# Altium PCB UmTRXv2.PcbDoc (part 21 of 25) (continued)
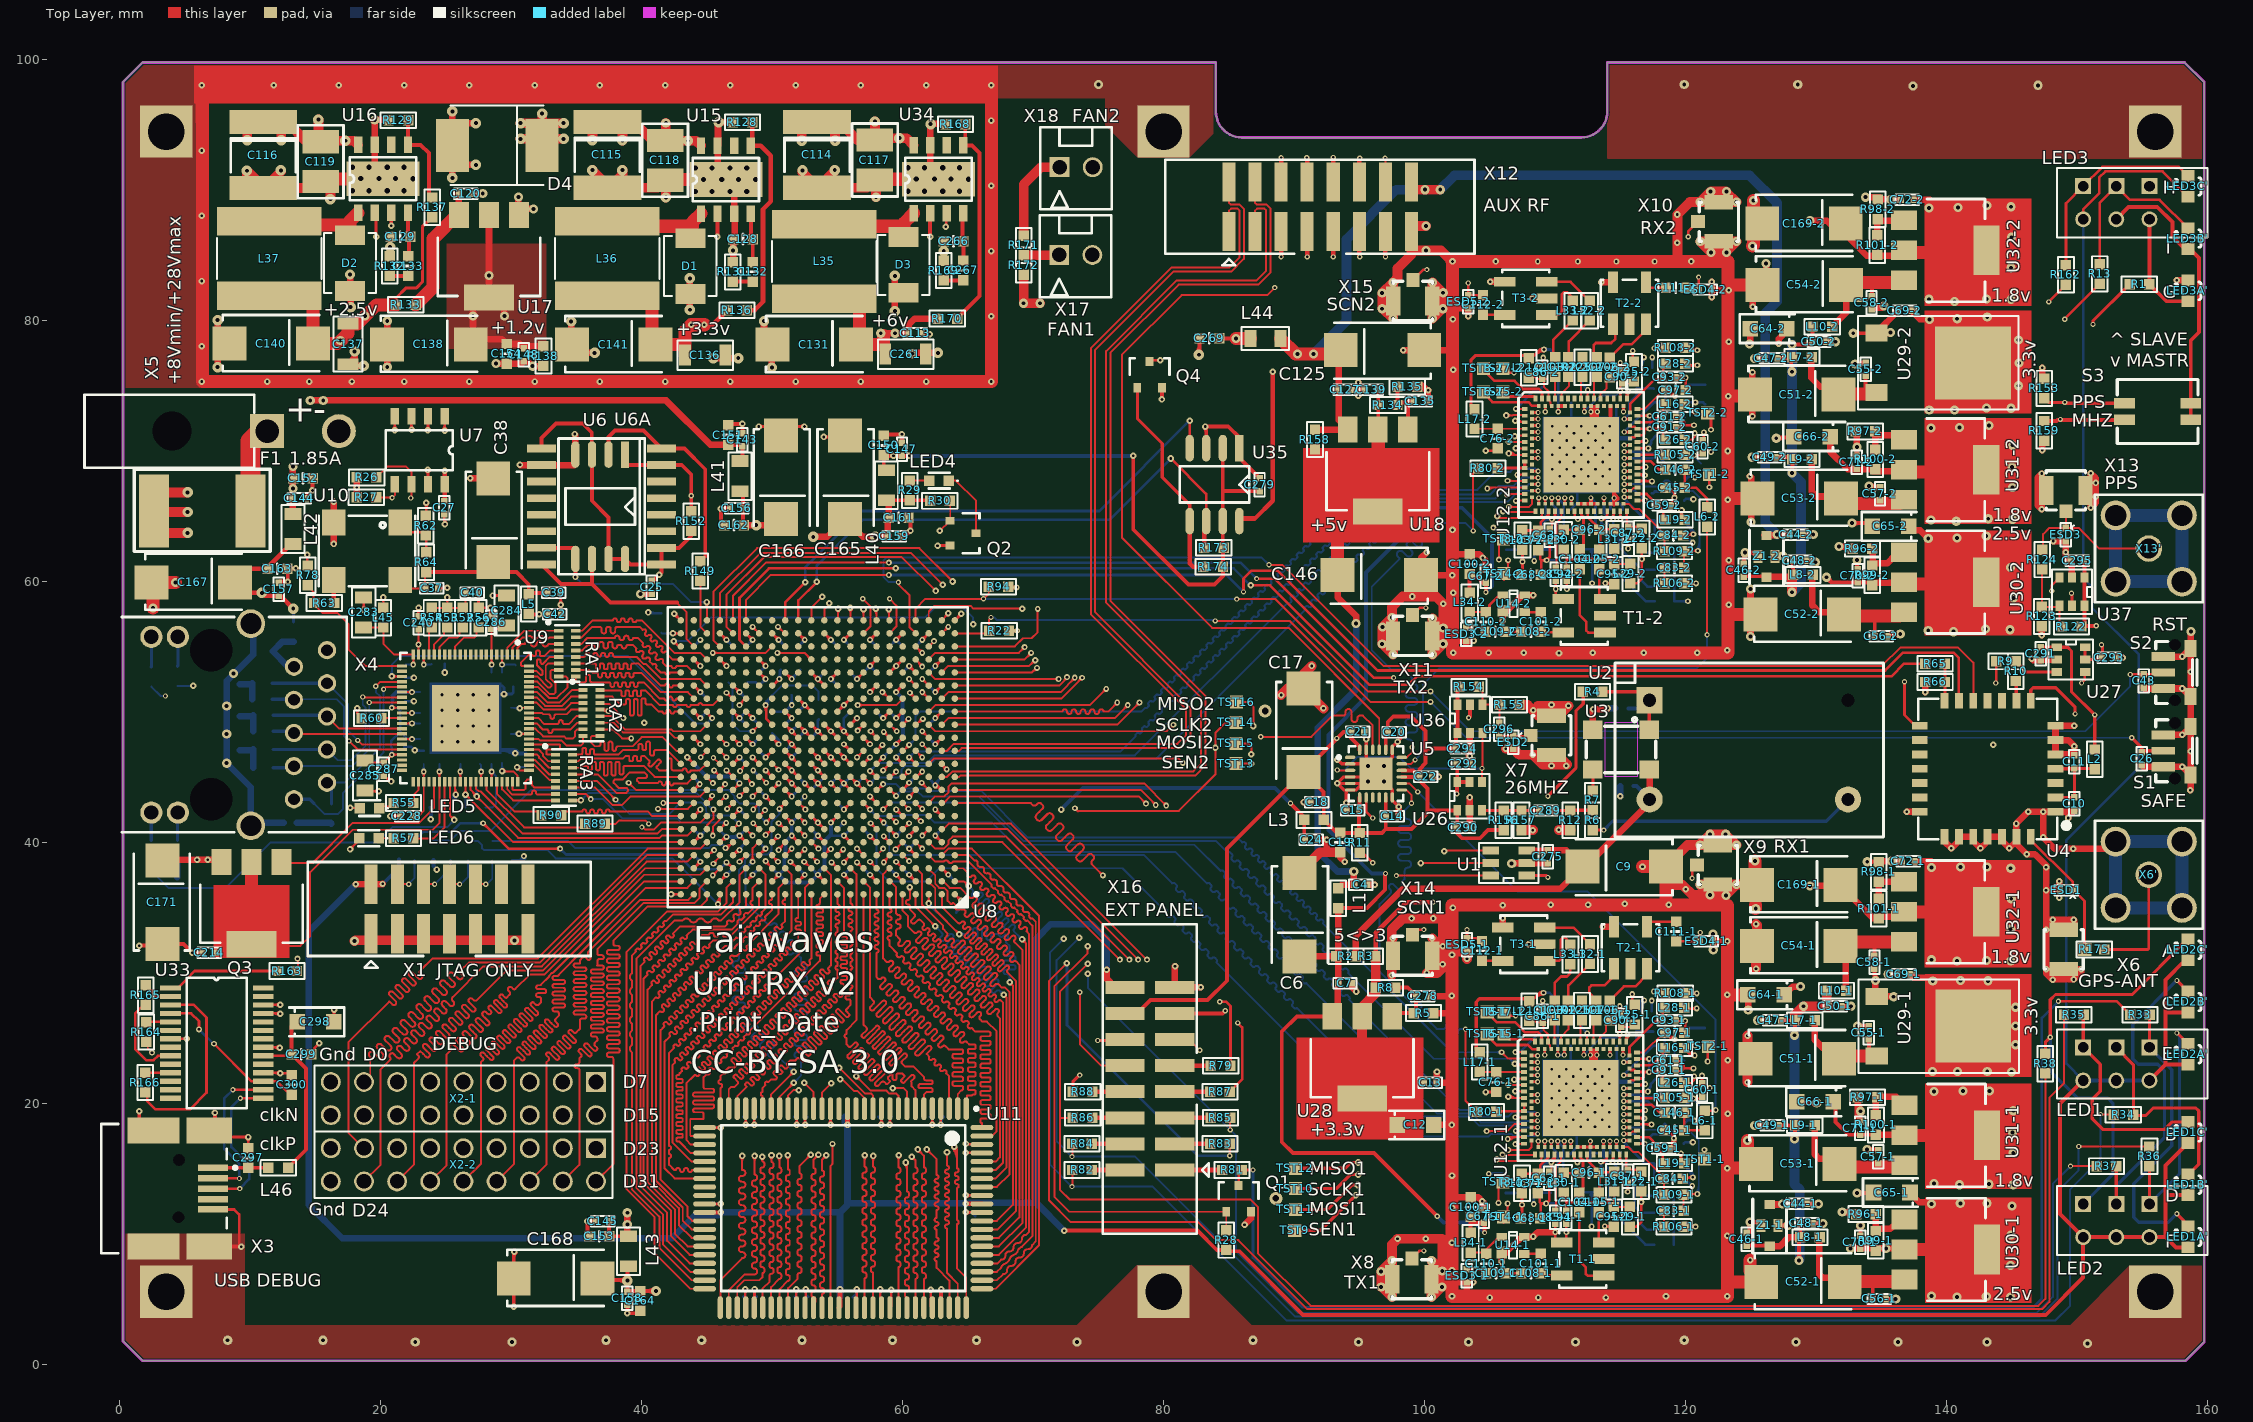
[diagram p0: Top Layer view]
## Nets (pads, with @x,y where several pads share a name; then routed paths per layer and width w, separated by ;. In a path a pad name is that pad's centre, name@x,y a point inside that pad or via, vN(x,y) a via of type N, cw(c..) or ccw(c..) an arc to the next point about the centre after c; other vN are vias at no path point) (continued)
  MidLayer1 w0.15: v2(69.85,54.5) 70.35,54.5 70.8,54.95 70.8,56.05 71.295,56.545 ccw(c71.281,56.559) 71.295,56.573 cw(c71.422,56.701) 71.295,56.828 71.359,56.891 cw(c71.486,56.764) 71.613,56.891 71.627,56.877 71.641,56.863 ccw(c71.769,56.99) 71.896,56.863 71.96,56.927 ccw(c71.832,57.054) 71.96,57.181 71.945,57.195 71.931,57.21 cw(c72.059,57.337) 71.931,57.464 71.995,57.528 cw(c72.122,57.401) 72.25,57.528 72.264,57.514 72.278,57.5 ccw(c72.405,57.627) 72.532,57.5 72.596,57.563 ccw(c72.469,57.69) 72.596,57.818 72.582,57.832 72.568,57.846 cw(c72.695,57.973) 72.568,58.101 72.631,58.164 cw(c72.759,58.037) 72.886,58.164 72.9,58.15 72.914,58.136 ccw(c73.042,58.263) 73.169,58.136 73.232,58.2 ccw(c73.105,58.327) 73.232,58.454 73.218,58.468 73.204,58.482 cw(c73.331,58.61) 73.204,58.737 73.268,58.801 cw(c73.395,58.673) 73.522,58.801 73.536,58.786 73.551,58.772 ccw(c73.678,58.9) 73.805,58.772 73.869,58.836 ccw(c73.742,58.963) 73.869,59.091 73.855,59.105 73.841,59.119 cw(c73.968,59.246) 73.841,59.373 73.904,59.437 cw(c74.031,59.31) 74.159,59.437 74.173,59.423 74.187,59.409 ccw(c74.314,59.536) 74.442,59.409 74.505,59.472 ccw(c74.378,59.6) 74.505,59.727 74.491,59.741 74.477,59.755 cw(c74.604,59.882) 74.477,60.01 74.541,60.073 cw(c74.668,59.946) 74.795,60.073 74.809,60.059 74.823,60.045 ccw(c74.951,60.172) 75.078,60.045 75.142,60.109 ccw(c75.014,60.236) 75.142,60.363 75.127,60.377 75.113,60.392 cw(c75.241,60.519) 75.113,60.646 75.177,60.71 cw(c75.304,60.583) 75.432,60.71 75.446,60.696 75.46,60.682 ccw(c75.587,60.809) 75.714,60.682 75.778,60.745 ccw(c75.651,60.872) 75.778,61 75.764,61.014 75.75,61.028 cw(c75.877,61.155) 75.75,61.283 75.813,61.346 cw(c75.941,61.219) 76.068,61.346 76.082,61.332 76.096,61.318 ccw(c76.223,61.445) 76.351,61.318 76.414,61.382 ccw(c76.287,61.509) 76.414,61.636 76.4,61.65 76.386,61.664 cw(c76.513,61.792) 76.386,61.919 76.45,61.983 cw(c76.577,61.855) 76.704,61.983 76.718,61.968 76.733,61.954 ccw(c76.86,62.082) 76.987,61.954 77.051,62.018 ccw(c76.924,62.145) 77.051,62.273 77.037,62.287 77.023,62.301 cw(c77.15,62.428) 77.023,62.555 77.086,62.619 cw(c77.213,62.492) 77.341,62.619 77.355,62.605 77.369,62.591 ccw(c77.496,62.718) 77.624,62.591 77.687,62.654 ccw(c77.56,62.782) 77.687,62.909 77.673,62.923 77.659,62.937 cw(c77.786,63.064) 77.659,63.192 ; 77.659,63.192 77.723,63.255 cw(c77.85,63.128) 77.977,63.255 77.991,63.241 78.005,63.227 ccw(c78.133,63.354) 78.26,63.227 78.324,63.291 ccw(c78.196,63.418) 78.324,63.545 78.309,63.559 78.295,63.574 cw(c78.423,63.701) 78.295,63.828 78.359,63.892 cw(c78.486,63.765) 78.613,63.892 78.628,63.878 78.642,63.863 ccw(c78.769,63.991) 78.896,63.863 78.96,63.927 ccw(c78.833,64.054) 78.96,64.182 78.946,64.196 78.932,64.21 cw(c79.059,64.337) 78.932,64.465 78.995,64.528 cw(c79.123,64.401) 79.25,64.528 79.264,64.514 79.278,64.5 ccw(c79.405,64.627) 79.533,64.5 79.596,64.564 ccw(c79.469,64.691) 79.596,64.818 79.582,64.832 79.568,64.846 cw(c79.695,64.974) 79.568,65.101 79.632,65.165 cw(c79.759,65.037) 79.886,65.165 79.9,65.15 79.915,65.136 ccw(c80.042,65.264) 80.169,65.136 80.233,65.2 ccw(c80.105,65.327) 80.233,65.454 80.204,65.483 cw(c80.332,65.61) 80.204,65.737 80.268,65.801 cw(c80.395,65.674) 80.523,65.801 80.537,65.787 80.551,65.773 ccw(c80.678,65.9) 80.806,65.773 80.869,65.836 ccw(c80.742,65.964) 80.869,66.091 80.855,66.105 80.841,66.119 cw(c80.968,66.246) 80.841,66.374 80.905,66.437 cw(c81.032,66.31) 81.159,66.437 81.173,66.423 81.187,66.409 ccw(c81.315,66.536) 81.442,66.409 81.506,66.473 ccw(c81.378,66.6) 81.506,66.727 81.491,66.741 81.477,66.756 cw(c81.605,66.883) 81.477,67.01 81.541,67.074 cw(c81.668,66.946) 81.795,67.074 81.81,67.06 81.824,67.045 ccw(c81.951,67.173) 82.078,67.045 82.142,67.109 ccw(c82.015,67.236) 82.142,67.364 82.128,67.378 82.114,67.392 cw(c82.241,67.519) 82.114,67.647 82.177,67.71 cw(c82.305,67.583) 82.432,67.71 82.46,67.682 ccw(c82.587,67.809) 82.715,67.682 82.778,67.746 ccw(c82.651,67.873) 82.778,68 82.764,68.014 82.75,68.028 cw(c82.877,68.156) 82.75,68.283 82.814,68.347 cw(c82.941,68.219) 83.068,68.347 83.082,68.332 83.097,68.318 ccw(c83.224,68.446) 83.351,68.318 83.415,68.382 ccw(c83.287,68.509) 83.415,68.636 83.401,68.651 83.386,68.665 cw(c83.514,68.792) 83.386,68.919 83.45,68.983 cw(c83.577,68.856) 83.705,68.983 83.719,68.969 83.733,68.955 ccw(c83.86,69.082) 83.987,68.955 84.051,69.018 ccw(c83.924,69.146) 84.051,69.273 84.037,69.287 84.023,69.301 cw(c84.15,69.428) 84.023,69.556 84.086,69.619 cw(c84.214,69.492) 84.341,69.619 84.355,69.605 84.369,69.591 ccw(c84.497,69.718) 84.624,69.591 84.688,69.655 ccw(c84.56,69.782) 84.688,69.909 84.659,69.938 cw(c84.787,70.065) 84.659,70.192 84.723,70.256 cw(c84.85,70.128) 84.977,70.256 84.992,70.242 85.006,70.227 ccw(c85.133,70.355) 85.26,70.227 85.324,70.291 ccw(c85.197,70.418) 85.324,70.546 85.31,70.56 85.296,70.574 cw(c85.423,70.701) 85.296,70.828 85.359,70.892 cw(c85.487,70.765) 85.614,70.892 ccw(c85.628,70.906) 85.642,70.892 87.45,72.7 v1(106.25,72.7) ; v2@69.956,54.394 cw(c70.212,54.138) 70.212,54.5 ; v2@69.956,54.394 cw(c70.212,54.138) 70.212,54.5 ; v2@69.956,54.394 cw(c70.212,54.138) 70.212,54.5 ; v2@69.956,54.606 ccw(c70.212,54.862) 70.212,54.5 ; v2@69.956,54.606 ccw(c70.212,54.862) 70.212,54.5 ; v2@69.956,54.606 ccw(c70.212,54.862) 70.212,54.5 ; 105.828,72.7 cw(c105.828,72.278) v1@106.126,72.576 ; 105.828,72.7 ccw(c105.828,73.122) v1@106.126,72.824 ; 105.828,72.7 ccw(c105.828,73.122) v1@106.126,72.824 ; 105.828,72.7 cw(c105.828,72.278) v1@106.126,72.576 ; 105.828,72.7 ccw(c105.828,73.122) v1@106.126,72.824 ; 105.828,72.7 cw(c105.828,72.278) v1@106.126,72.576
RX2D11: U8.W3 U12-2.2 | length 70.7
  Top Layer w0.15: U8.W3@62,54 62.5,54.5 68.9,54.5 v2(69.35,54.95) ; 69.094,54.694 cw(c69.35,54.438) v2@69.35,54.8 ; 69.094,54.694 ccw(c68.838,54.95) v2@69.2,54.95 ; 69.094,54.694 ccw(c68.838,54.95) v2@69.2,54.95 ; 69.094,54.694 cw(c69.35,54.438) v2@69.35,54.8 ; 69.094,54.694 ccw(c68.838,54.95) v2@69.2,54.95 ; 69.094,54.694 cw(c69.35,54.438) v2@69.35,54.8 ; 69.149,54.761 cw(c69.403,54.693) v2(69.35,54.95) ; 69.149,54.761 cw(c69.403,54.693) v2(69.35,54.95) ; 69.149,54.761 cw(c69.403,54.693) v2(69.35,54.95) ; 69.161,54.749 ccw(c69.093,55.003) v2(69.35,54.95) ; 69.161,54.749 ccw(c69.093,55.003) v2(69.35,54.95) ; 69.161,54.749 ccw(c69.093,55.003) v2(69.35,54.95)
  Top Layer w0.2: U12-2.2@108.246,72.93 v4@108.671,72.93 ; 108.455,72.93 cw(c108.455,72.688) v4@108.625,72.859 ; 108.455,72.93 ccw(c108.455,73.171) v4@108.625,73.001 ; 108.455,72.93 ccw(c108.455,73.171) v4@108.625,73.001 ; 108.455,72.93 cw(c108.455,72.688) v4@108.625,72.859 ; 108.455,72.93 ccw(c108.455,73.171) v4@108.625,73.001 ; 108.455,72.93 cw(c108.455,72.688) v4@108.625,72.859
  MidLayer1 w0.15: v2(69.35,54.95) 70,54.95 70.4,55.35 70.4,56.9 73.313,59.813 cw(c73.419,59.919) 73.313,60.025 73.419,60.131 cw(c73.525,60.025) 73.631,60.131 ccw(c73.737,60.237) 73.843,60.131 73.949,60.237 ccw(c73.843,60.343) 73.949,60.449 cw(c74.055,60.555) 73.949,60.662 74.055,60.768 cw(c74.162,60.662) 74.268,60.768 ccw(c74.374,60.874) 74.48,60.768 74.586,60.874 ccw(c74.48,60.98) 74.586,61.086 cw(c74.692,61.192) 74.586,61.298 74.692,61.404 cw(c74.798,61.298) 74.904,61.404 ccw(c75.01,61.51) 75.116,61.404 75.222,61.51 ccw(c75.116,61.616) 75.222,61.722 cw(c75.328,61.828) 75.222,61.934 75.328,62.04 cw(c75.434,61.934) 75.54,62.04 ccw(c75.646,62.146) 75.753,62.04 75.859,62.146 ccw(c75.753,62.253) 75.859,62.359 cw(c75.965,62.465) 75.859,62.571 75.965,62.677 cw(c76.071,62.571) 76.177,62.677 ccw(c76.283,62.783) 76.389,62.677 76.495,62.783 ccw(c76.389,62.889) 76.495,62.995 cw(c76.601,63.101) 76.495,63.207 76.601,63.313 cw(c76.707,63.207) 76.813,63.313 ccw(c76.919,63.419) 77.025,63.313 77.131,63.419 ccw(c77.025,63.525) 77.131,63.631 cw(c77.237,63.737) 77.131,63.844 77.237,63.95 cw(c77.344,63.844) 77.45,63.95 ccw(c77.556,64.056) 77.662,63.95 77.768,64.056 ccw(c77.662,64.162) 77.768,64.268 cw(c77.874,64.374) 77.768,64.48 77.874,64.586 cw(c77.98,64.48) 78.086,64.586 ccw(c78.192,64.692) 78.298,64.586 78.404,64.692 ccw(c78.298,64.798) 78.404,64.904 cw(c78.51,65.01) 78.404,65.116 78.51,65.222 cw(c78.616,65.116) 78.722,65.222 ccw(c78.828,65.328) 78.934,65.222 79.041,65.328 ccw(c78.934,65.434) 79.041,65.541 cw(c79.147,65.647) 79.041,65.753 79.147,65.859 cw(c79.253,65.753) 79.359,65.859 ccw(c79.465,65.965) 79.571,65.859 79.677,65.965 ccw(c79.571,66.071) 79.677,66.177 cw(c79.783,66.283) 79.677,66.389 79.783,66.495 cw(c79.889,66.389) 79.995,66.495 ccw(c80.101,66.601) 80.207,66.495 80.313,66.601 ccw(c80.207,66.707) 80.313,66.813 cw(c80.419,66.919) 80.313,67.025 80.419,67.132 cw(c80.525,67.025) 80.632,67.132 ccw(c80.738,67.238) 80.844,67.132 80.95,67.238 ccw(c80.844,67.344) 80.95,67.45 cw(c81.056,67.556) 80.95,67.662 81.056,67.768 cw(c81.162,67.662) 81.268,67.768 ccw(c81.374,67.874) 81.48,67.768 81.586,67.874 ccw(c81.48,67.98) 81.586,68.086 cw(c81.692,68.192) 81.586,68.298 81.692,68.404 cw(c81.798,68.298) 81.904,68.404 ccw(c82.01,68.51) 82.116,68.404 82.223,68.51 ccw(c82.116,68.616) 82.223,68.723 cw(c82.329,68.829) 82.223,68.935 82.329,69.041 cw(c82.435,68.935) 82.541,69.041 ccw(c82.647,69.147) 82.753,69.041 82.859,69.147 ccw(c82.753,69.253) 82.859,69.359 cw(c82.965,69.465) 82.859,69.571 82.965,69.677 cw(c83.071,69.571) 83.177,69.677 ccw(c83.283,69.783) 83.389,69.677 83.495,69.783 ccw(c83.389,69.889) 83.495,69.995 cw(c83.601,70.101) 83.495,70.207 83.601,70.314 cw(c83.707,70.207) 83.814,70.314 ccw(c83.92,70.42) 84.026,70.314 84.132,70.42 ccw(c84.026,70.526) 84.132,70.632 cw(c84.238,70.738) 84.132,70.844 84.238,70.95 cw(c84.344,70.844) 84.45,70.95 ccw(c84.556,71.056) 84.662,70.95 84.768,71.056 ccw(c84.662,71.162) 84.768,71.268 cw(c84.874,71.374) 84.768,71.48 84.874,71.586 cw(c84.98,71.48) 85.086,71.586 ccw(c85.192,71.692) 85.298,71.586 85.405,71.692 ccw(c85.298,71.798) 85.405,71.905 cw(c85.511,72.011) 85.405,72.117 85.511,72.223 cw(c85.617,72.117) 85.723,72.223 ccw(c85.829,72.329) 85.935,72.223 86.041,72.329 ccw(c85.935,72.435) 86.041,72.541 86.642,73.142 105.35,73.142 105.372,73.163 106.471,73.163 106.838,72.796 107.335,72.796 107.468,72.93 v4(108.696,72.93) ; v2@69.456,54.844 cw(c69.712,54.588) 69.712,54.95 ; v2@69.456,54.844 cw(c69.712,54.588) 69.712,54.95 ; v2@69.456,54.844 cw(c69.712,54.588) 69.712,54.95 ; v2@69.456,55.056 ccw(c69.712,55.312) 69.712,54.95 ; v2@69.456,55.056 ccw(c69.712,55.312) 69.712,54.95 ; v2@69.456,55.056 ccw(c69.712,55.312) 69.712,54.95 ; 108.394,72.93 cw(c108.394,72.628) v4@108.608,72.841 ; 108.394,72.93 ccw(c108.394,73.232) v4@108.608,73.018 ; 108.394,72.93 ccw(c108.394,73.232) v4@108.608,73.018 ; 108.394,72.93 cw(c108.394,72.628) v4@108.608,72.841 ; 108.394,72.93 ccw(c108.394,73.232) v4@108.608,73.018 ; 108.394,72.93 cw(c108.394,72.628) v4@108.608,72.841
RX2IQSEL: U8.P8 U12-2.16 | length 72.4
  Top Layer w0.15: v2@56.55,48.725 ccw(c56.55,49.147) 56.849,48.849 ccw(c57.147,48.55) v2@56.725,48.55 ; 56.739,48.751 ccw(c56.807,48.497) v2(56.55,48.55) ; 56.751,48.739 cw(c56.497,48.807) v2(56.55,48.55) ; U8.P8@57,49 v2(56.55,48.55) ; v2(56.55,48.55) ccw(c56.459,48.88) 56.79,48.791 cw(c56.459,48.88) v2(56.55,48.55) ; v2(56.55,48.55) cw(c56.88,48.459) 56.791,48.79 ccw(c56.88,48.459) v2(56.55,48.55) ; 56.806,48.806 cw(c56.55,49.062) 56.55,48.7 ccw(c56.55,49.062) 56.806,48.806 ; 56.806,48.806 ccw(c57.062,48.55) 56.7,48.55 cw(c57.062,48.55) 56.806,48.806
  Top Layer w0.2: U12-2.16@108.246,69.43 v4@108.671,69.43 ; 108.455,69.43 cw(c108.455,69.188) v4@108.625,69.359 ; 108.455,69.43 ccw(c108.455,69.671) v4@108.625,69.501 ; 108.455,69.43 ccw(c108.455,69.671) v4@108.625,69.501 ; 108.455,69.43 cw(c108.455,69.188) v4@108.625,69.359 ; 108.455,69.43 ccw(c108.455,69.671) v4@108.625,69.501 ; 108.455,69.43 cw(c108.455,69.188) v4@108.625,69.359
  MidLayer1 w0.15: v2@56.55,48.725 ccw(c56.55,48.941) 56.702,48.788 ; v2@56.725,48.55 cw(c57.354,48.55) 56.909,48.995 ; 56.764,48.79 cw(c56.42,48.882) v2(56.55,48.55) ; v4(108.696,69.43) 107.892,69.43 107.012,68.55 106.934,68.55 106.911,68.527 93.377,68.527 93.026,68.176 93.033,68.169 cw(c92.934,68.07) 93.033,67.971 92.984,67.922 cw(c92.885,68.021) 92.786,67.922 92.779,67.929 92.772,67.936 ccw(c92.673,67.837) 92.574,67.936 92.524,67.886 ccw(c92.623,67.787) 92.524,67.688 92.531,67.681 92.538,67.674 cw(c92.439,67.575) 92.538,67.476 92.489,67.427 cw(c92.39,67.526) 92.291,67.427 92.284,67.434 92.277,67.441 ccw(c92.178,67.342) 92.079,67.441 92.029,67.391 ccw(c92.128,67.292) 92.029,67.193 92.036,67.186 92.043,67.179 cw(c91.944,67.08) 92.043,66.981 91.994,66.932 cw(c91.895,67.031) 91.796,66.932 91.789,66.939 91.789,66.673 86.116,61 85.85,61 85.526,60.676 85.515,60.676 85.444,60.605 85.427,60.605 85.332,60.51 85.332,60.493 85.261,60.422 85.261,60.411 84.889,60.039 84.879,60.039 84.808,59.968 84.791,59.968 84.775,59.953 84.696,59.874 84.696,59.856 84.625,59.786 84.625,59.775 84.253,59.403 84.242,59.403 84.172,59.332 84.154,59.332 84.059,59.237 84.059,59.22 83.989,59.149 83.989,59.139 83.616,58.766 83.606,58.766 83.535,58.696 83.518,58.696 83.439,58.616 83.423,58.601 83.423,58.584 83.352,58.513 83.352,58.502 82.98,58.13 82.97,58.13 82.899,58.059 82.882,58.059 82.787,57.964 82.787,57.947 82.716,57.876 82.716,57.866 82.344,57.494 82.333,57.494 82.262,57.423 82.245,57.423 82.15,57.328 82.15,57.311 82.079,57.24 82.079,57.229 81.707,56.857 81.697,56.857 81.626,56.786 81.609,56.786 81.514,56.692 81.514,56.674 81.443,56.604 81.443,56.593 81.071,56.221 81.06,56.221 80.99,56.15 80.972,56.15 80.878,56.055 80.878,56.038 80.807,55.967 80.807,55.957 80.434,55.584 80.424,55.584 80.353,55.514 80.336,55.514 80.32,55.498 80.241,55.419 80.241,55.402 80.17,55.331 80.17,55.32 79.798,54.948 79.788,54.948 79.717,54.877 79.7,54.877 79.605,54.782 79.605,54.765 79.534,54.694 79.534,54.684 79.162,54.312 79.151,54.312 79.08,54.241 79.063,54.241 78.984,54.162 78.968,54.146 78.968,54.129 78.898,54.058 78.898,54.048 78.525,53.675 78.515,53.675 78.444,53.604 78.427,53.604 78.332,53.51 78.332,53.492 78.261,53.422 78.261,53.411 77.8,52.95 76.4,52.95 75.85,52.4 75.4,52.4 73.751,50.751 62.049,50.751 61.825,50.975 58.889,50.975 56.55,48.636 v2(56.55,48.55) ; v2(56.55,48.55) ccw(c56.369,48.963) 56.804,48.846 cw(c56.369,48.963) v2(56.55,48.55) ; 108.394,69.43 cw(c108.394,69.128) v4@108.608,69.341 ; 108.394,69.43 ccw(c108.394,69.732) v4@108.608,69.518 ; 108.394,69.43 ccw(c108.394,69.732) v4@108.608,69.518 ; 108.394,69.43 cw(c108.394,69.128) v4@108.608,69.341 ; 108.394,69.43 ccw(c108.394,69.732) v4@108.608,69.518 ; 108.394,69.43 cw(c108.394,69.128) v4@108.608,69.341 ; v2@56.7,48.55 cw(c57.269,48.55) 56.867,48.952 ccw(c57.269,48.55) v2@56.7,48.55
RX-1: C111-1.1 ESD4-1.2 X9.1 | length 8.1
  Top Layer w0.2: C111-1.1@119.275,32.4 ESD4-1.2@121.1,32.4 121.1,33.05 v4(121.125,33.075) ; v4(120.5,37.225) 120.5,37.875 X9.1@120.875,38.25
  Mid-Layer 2 w0.2: v4(120.5,37.225) 120.5,33.7 v4(121.125,33.075)
RX-2: C111-2.1 ESD4-2.2 X10.1 | length 6.9
  Top Layer w0.2: C111-2.1@120,82.475 120.125,82.35 ESD4-2.2@121,82.35 v4(121,83.3) ; v4(120.2,86.4) 120.2,86.8 X10.1@120.95,87.55
  Mid-Layer 2 w0.2: v4@120.175,86.375 120.175,85.925 121,85.1 v4(121,83.3)
  Bottom Layer w0.2: v4@120.175,86.375 v4(120.2,86.4)
RXD1: R163.1 U8.T17 | length 49.3
  Top Layer w0.15: v2(13.625,31.075) 13.65,31.05 R163.1@13.65,30.15 ; U8.T17@47.95,51.05 47.5,50.6 v2(47.5,50.5) ; v2(47.5,50.5) ccw(c47.355,50.845) 47.717,50.748 ; v2(47.5,50.5) ccw(c47.355,50.845) 47.717,50.748 ; v2(47.5,50.5) ccw(c47.355,50.845) 47.717,50.748 ; v2@47.65,50.5 cw(c48.254,50.5) U8.T17@47.827,50.927 ; v2@47.65,50.5 cw(c48.254,50.5) U8.T17@47.827,50.927 ; v2@47.65,50.5 cw(c48.254,50.5) U8.T17@47.827,50.927
  Mid-Layer 2 w0.15: v2(13.625,31.075) 13.625,33.725 19.2,39.3 29.5,39.3 40.7,50.5 v2(47.5,50.5) ; 47.138,50.5 cw(c47.138,50.138) v2@47.394,50.394 ; 47.138,50.5 ccw(c47.138,50.862) v2@47.394,50.606 ; 47.138,50.5 ccw(c47.138,50.862) v2@47.394,50.606 ; 47.138,50.5 cw(c47.138,50.138) v2@47.394,50.394 ; 47.138,50.5 ccw(c47.138,50.862) v2@47.394,50.606 ; 47.138,50.5 cw(c47.138,50.138) v2@47.394,50.394
RXD2: U4.13 U8.AB17 | length 103.9
  Top Layer w0.15: U8.AB17@48,57 48,58.575 49.9,60.475 v2(58.95,60.475)
  Top Layer w0.2: v4(86.125,59.175) 86.125,60.2 86.725,60.8 88.741,60.8 96.391,53.15 135.3,53.15 136.675,54.525 140.525,54.525 140.95,54.1 U4.13@140.95,51.325
  Bottom Layer w0.15: v2(58.95,60.475) v2@59.025,60.55
  Bottom Layer w0.2: v2(58.95,60.475) 84.825,60.475 v4(86.125,59.175)
SCL: R26.2 U7.6 U8.AA14 | length 47.9
  Top Layer w0.15: R26.2@19.675,67.95 20.5,68.775 21.95,68.775 22.357,68.368 U7.6@22.357,67.428 22.357,66.432 v4(22.3,66.375) ; U8.AA14@51,56 50.95,56 v2(50.45,56.5) ; v2@50.45,56.35 cw(c50.45,55.988) 50.706,56.244 ; v2@50.45,56.35 cw(c50.45,55.988) 50.706,56.244 ; v2@50.45,56.35 cw(c50.45,55.988) 50.706,56.244 ; v2(50.45,56.5) ccw(c50.707,56.553) 50.639,56.299 ; v2(50.45,56.5) cw(c50.397,56.243) 50.651,56.311 ; v2(50.45,56.5) cw(c50.397,56.243) 50.651,56.311 ; v2(50.45,56.5) ccw(c50.707,56.553) 50.639,56.299 ; v2(50.45,56.5) ccw(c50.707,56.553) 50.639,56.299 ; v2(50.45,56.5) cw(c50.397,56.243) 50.651,56.311 ; v2@50.6,56.5 ccw(c50.962,56.5) 50.706,56.244 ; v2@50.6,56.5 ccw(c50.962,56.5) 50.706,56.244 ; v2@50.6,56.5 ccw(c50.962,56.5) 50.706,56.244
  MidLayer1 w0.15: v4(22.3,66.375) 21.55,65.625 21.55,60.65 25.35,56.85 48.1,56.85 48.2,56.95 50,56.95 v2(50.45,56.5) ; 50.194,56.756 cw(c49.938,56.5) v2@50.3,56.5 ; 50.194,56.756 ccw(c50.45,57.012) v2@50.45,56.65 ; 50.194,56.756 ccw(c50.45,57.012) v2@50.45,56.65 ; 50.194,56.756 cw(c49.938,56.5) v2@50.3,56.5 ; 50.194,56.756 ccw(c50.45,57.012) v2@50.45,56.65 ; 50.194,56.756 cw(c49.938,56.5) v2@50.3,56.5
SCLK1: TST10.1 U8.F1 U12-1.70 | length 77.4
  Top Layer w0.15: U8.F1@64,41 68.05,41 v2(78.05,31)
  Top Layer w0.2: v4@115.282,19.638 U12-1.70@115.707,19.638 ; v4@115.328,19.567 cw(c115.498,19.397) 115.498,19.638 ; v4@115.328,19.567 cw(c115.498,19.397) 115.498,19.638 ; v4@115.328,19.567 cw(c115.498,19.397) 115.498,19.638 ; v4@115.328,19.709 ccw(c115.498,19.879) 115.498,19.638 ; v4@115.328,19.709 ccw(c115.498,19.879) 115.498,19.638 ; v4@115.328,19.709 ccw(c115.498,19.879) 115.498,19.638
  Top Layer w0.25: TST10.1@90.1,13.45 93.225,13.45 94.3,14.525 v1(94.9,14.525)
  MidLayer1 w0.15: v2(78.05,31) 94.525,14.525 94.875,14.525 95.975,13.425 114.382,13.425 116.132,15.175 116.132,18.793 115.287,19.638 v4(115.257,19.638) ; v4@115.257,19.513 cw(c115.257,19.138) 115.522,19.403 ; v4@115.257,19.513 cw(c115.257,19.138) 115.522,19.403 ; v4@115.257,19.513 cw(c115.257,19.138) 115.522,19.403 ; v4@115.382,19.638 ccw(c115.611,19.638) 115.449,19.476 ; v4@115.382,19.638 ccw(c115.611,19.638) 115.449,19.476 ; v4@115.382,19.638 ccw(c115.611,19.638) 115.449,19.476
SCLK2: TST14.1 U8.H5 U12-2.70 | length 88.5
  Top Layer w0.15: U8.H5@60,43 v2(60.45,42.55) ; TST14.1@85.55,49.175 84.75,49.175 83.975,48.4 v1(83.975,47.225) 83.975,45.209 81.166,42.4 73.4,42.4 v2(73.2,42.6) ; 60.194,42.806 cw(c59.938,42.55) v2@60.3,42.55 ; 60.194,42.806 ccw(c60.45,43.062) v2@60.45,42.7 ; 60.194,42.806 ccw(c60.45,43.062) v2@60.45,42.7 ; 60.194,42.806 cw(c59.938,42.55) v2@60.3,42.55 ; 60.194,42.806 ccw(c60.45,43.062) v2@60.45,42.7 ; 60.194,42.806 cw(c59.938,42.55) v2@60.3,42.55 ; 60.249,42.739 ccw(c60.503,42.807) v2(60.45,42.55) ; 60.249,42.739 ccw(c60.503,42.807) v2(60.45,42.55) ; 60.249,42.739 ccw(c60.503,42.807) v2(60.45,42.55) ; 60.261,42.751 cw(c60.193,42.497) v2(60.45,42.55) ; 60.261,42.751 cw(c60.193,42.497) v2(60.45,42.55) ; 60.261,42.751 cw(c60.193,42.497) v2(60.45,42.55) ; v2(73.2,42.6) ccw(c73.463,42.664) 73.397,42.401 ; v2(73.2,42.6) cw(c73.136,42.337) 73.399,42.403 ; v2(73.2,42.6) cw(c73.136,42.337) 73.399,42.403 ; v2(73.2,42.6) ccw(c73.463,42.664) 73.397,42.401 ; v2(73.2,42.6) ccw(c73.463,42.664) 73.397,42.401 ; v2(73.2,42.6) cw(c73.136,42.337) 73.399,42.403 ; v2@73.203,42.45 cw(c73.208,42.108) 73.45,42.35 ; v2@73.203,42.45 cw(c73.208,42.108) 73.45,42.35 ; v2@73.203,42.45 cw(c73.208,42.108) 73.45,42.35 ; v2@73.35,42.597 ccw(c73.692,42.592) 73.45,42.35 ; v2@73.35,42.597 ccw(c73.692,42.592) 73.45,42.35 ; v2@73.35,42.597 ccw(c73.692,42.592) 73.45,42.35
  Top Layer w0.2: v4@115.321,68.93 U12-2.70@115.746,68.93 ; v4@115.367,68.859 cw(c115.537,68.688) 115.537,68.93 ; v4@115.367,68.859 cw(c115.537,68.688) 115.537,68.93 ; v4@115.367,68.859 cw(c115.537,68.688) 115.537,68.93 ; v4@115.367,69.001 ccw(c115.537,69.171) 115.537,68.93 ; v4@115.367,69.001 ccw(c115.537,69.171) 115.537,68.93 ; v4@115.367,69.001 ccw(c115.537,69.171) 115.537,68.93
  MidLayer1 w0.15: v2(60.45,42.55) 60.875,42.975 61.676,42.975 61.726,42.925 71.974,42.925 72.875,42.925 v2(73.2,42.6) ; v1(83.975,47.225) 87.45,47.225 88.575,48.35 88.575,49.225 95.575,56.225 95.575,57.4 99.075,60.9 100.3,60.9 102.4,63 106.834,63 107.384,63.55 107.716,63.55 107.717,63.548 111.733,63.548 113.651,65.467 115.57,65.467 116.171,66.067 116.171,68.085 115.326,68.93 v4(115.296,68.93) ; v2@60.45,42.7 ccw(c60.45,43.062) 60.706,42.806 ; v2@60.45,42.7 ccw(c60.45,43.062) 60.706,42.806 ; v2@60.45,42.7 ccw(c60.45,43.062) 60.706,42.806 ; v2@60.6,42.55 cw(c60.962,42.55) 60.706,42.806 ; v2@60.6,42.55 cw(c60.962,42.55) 60.706,42.806 ; v2@60.6,42.55 cw(c60.962,42.55) 60.706,42.806 ; 72.944,42.856 cw(c72.688,42.6) v2@73.05,42.6 ; 72.944,42.856 ccw(c73.2,43.112) v2@73.2,42.75 ; 72.944,42.856 ccw(c73.2,43.112) v2@73.2,42.75 ; 72.944,42.856 cw(c72.688,42.6) v2@73.05,42.6 ; 72.944,42.856 ccw(c73.2,43.112) v2@73.2,42.75 ; 72.944,42.856 cw(c72.688,42.6) v2@73.05,42.6 ; v4@115.296,68.805 cw(c115.296,68.43) 115.561,68.695 ; v4@115.296,68.805 cw(c115.296,68.43) 115.561,68.695 ; v4@115.296,68.805 cw(c115.296,68.43) 115.561,68.695 ; v4@115.421,68.93 ccw(c115.65,68.93) 115.488,68.768 ; v4@115.421,68.93 ccw(c115.65,68.93) 115.488,68.768 ; v4@115.421,68.93 ccw(c115.65,68.93) 115.488,68.768
SCN-1: C112-1.2 ESD5-1.2 X14.1 | length 6.2
  Top Layer w0.15: X14.1@99.075,32.9 X14.1@99.475,33.3 ; C112-1.2@104.2,32.625 C112-1.2@104.4,32.425
  Top Layer w0.2: X14.1@99.475,33.3 v4(99.95,33.3) ; v4(103.25,33.3) ESD5-1.2@103.25,32.625 C112-1.2@104.2,32.625
  Mid-Layer 2 w0.2: v4(99.95,33.3) v4(103.25,33.3)
SCN-2: C112-2.2 ESD5-2.2 X15.1 | length 7.1
  Top Layer w0.2: X15.1@99.1,83.075 99.9,83.875 v4(100.175,83.875) ; v4(103.35,82.85) ESD5-2.2@103.35,81.9 103.375,81.925 C112-2.2@104.475,81.925
  Mid-Layer 2 w0.2: v4(100.175,83.875) 102.325,83.875 v4(103.35,82.85)
SDA: R27.2 U7.5 U8.AA16 | length 43.3
  Top Layer w0.15: R27.2@19.65,66.425 20.925,66.425 21.087,66.587 U7.5@21.087,67.428 ; U8.AA16@49,56 v2(48.5,56.5) ; v2@48.5,56.35 cw(c48.5,55.988) 48.756,56.244 ; v2@48.5,56.35 cw(c48.5,55.988) 48.756,56.244 ; v2@48.5,56.35 cw(c48.5,55.988) 48.756,56.244 ; v2(48.5,56.5) ccw(c48.757,56.553) 48.689,56.299 ; v2(48.5,56.5) cw(c48.447,56.243) 48.701,56.311 ; v2(48.5,56.5) cw(c48.447,56.243) 48.701,56.311 ; v2(48.5,56.5) ccw(c48.757,56.553) 48.689,56.299 ; v2(48.5,56.5) ccw(c48.757,56.553) 48.689,56.299 ; v2(48.5,56.5) cw(c48.447,56.243) 48.701,56.311 ; v2@48.65,56.5 ccw(c49.012,56.5) 48.756,56.244 ; v2@48.65,56.5 ccw(c49.012,56.5) 48.756,56.244 ; v2@48.65,56.5 ccw(c49.012,56.5) 48.756,56.244
  MidLayer1 w0.15: v4(20.875,66.4) 20.875,60.725 25.1,56.5 v2(48.5,56.5) ; 48.138,56.5 cw(c48.138,56.138) v2@48.394,56.394 ; 48.138,56.5 ccw(c48.138,56.862) v2@48.394,56.606 ; 48.138,56.5 ccw(c48.138,56.862) v2@48.394,56.606 ; 48.138,56.5 cw(c48.138,56.138) v2@48.394,56.394 ; 48.138,56.5 ccw(c48.138,56.862) v2@48.394,56.606 ; 48.138,56.5 cw(c48.138,56.138) v2@48.394,56.394
SEN1: TST9.1 U8.E1 U12-1.67 | length 78.5
  Top Layer w0.15: U8.E1@64,40 67.65,40 v2(76.65,31)
  Top Layer w0.2: U12-1.67@116.282,18.888 v2@116.959,18.888 ; U12-1.67@116.378,18.888 cw(c116.378,18.358) v2@116.753,18.733 ; U12-1.67@116.378,18.888 cw(c116.378,18.358) v2@116.753,18.733 ; U12-1.67@116.378,18.888 cw(c116.378,18.358) v2@116.753,18.733
  Top Layer w0.25: TST9.1@90.049,10.25 92.05,10.25 v1(94.725,12.925)
  MidLayer1 w0.15: v2(76.65,31) v1(94.725,12.925) 114.589,12.925 116.732,15.068 116.732,15.91 117.4,16.578 117.4,17.005 116.841,17.564 v2(116.841,18.821) ; v2@116.735,18.715 cw(c116.479,18.459) 116.841,18.459 ; v2@116.735,18.715 cw(c116.479,18.459) 116.841,18.459 ; v2@116.735,18.715 cw(c116.479,18.459) 116.841,18.459 ; 116.841,18.459 cw(c117.204,18.459) v2@116.948,18.715 ; 116.841,18.459 cw(c117.204,18.459) v2@116.948,18.715 ; 116.841,18.459 cw(c117.204,18.459) v2@116.948,18.715
SEN2: TST13.1 U8.M4 U12-2.67 | length 78.8
  Top Layer w0.15: U8.M4@61,47 v2(61.5,46.5) ; 61.299,46.689 ccw(c61.553,46.757) v2(61.5,46.5) ; 61.311,46.701 cw(c61.243,46.447) v2(61.5,46.5) ; v2@61.325,46.5 ccw(c60.903,46.5) 61.201,46.799 ccw(c61.5,47.097) v2@61.5,46.675 ; TST13.1@85.55,46.025 v1(86.7,46.025) ; 61.244,46.756 cw(c60.988,46.5) 61.35,46.5 ccw(c60.988,46.5) 61.244,46.756 ; 61.244,46.756 ccw(c61.5,47.012) 61.5,46.65 cw(c61.5,47.012) 61.244,46.756 ; v2(61.5,46.5) ccw(c61.17,46.409) 61.259,46.74 cw(c61.17,46.409) v2(61.5,46.5) ; v2(61.5,46.5) cw(c61.591,46.83) 61.26,46.741 ccw(c61.591,46.83) v2(61.5,46.5)
  Top Layer w0.2: U12-2.67@116.321,68.18 v2@116.998,68.18 ; U12-2.67@116.417,68.18 cw(c116.417,67.65) v2@116.792,68.025 ; U12-2.67@116.417,68.18 cw(c116.417,67.65) v2@116.792,68.025 ; U12-2.67@116.417,68.18 cw(c116.417,67.65) v2@116.792,68.025
  MidLayer1 w0.15: v2(61.5,46.5) 62.389,46.5 62.639,46.75 82.15,46.75 82.875,46.025 v1(86.7,46.025) 86.957,46.025 96.2,55.268 96.2,56.85 99.475,60.125 100.725,60.125 102.95,62.35 113.655,62.35 117.311,66.007 117.311,66.424 116.88,66.855 v2(116.88,68.113) ; v2@61.624,46.376 cw(c61.922,46.078) 61.922,46.5 cw(c61.922,46.922) v2@61.624,46.624 ; 61.862,46.5 cw(c61.862,46.862) 61.606,46.606 ccw(c61.862,46.862) 61.862,46.5 ; 61.862,46.5 ccw(c61.862,46.138) 61.606,46.394 cw(c61.862,46.138) 61.862,46.5 ; v2@116.774,68.007 cw(c116.518,67.751) 116.88,67.751 ; v2@116.774,68.007 cw(c116.518,67.751) 116.88,67.751 ; v2@116.774,68.007 cw(c116.518,67.751) 116.88,67.751 ; 116.88,67.751 cw(c117.243,67.751) v2@116.986,68.007 ; 116.88,67.751 cw(c117.243,67.751) v2@116.986,68.007 ; 116.88,67.751 cw(c117.243,67.751) v2@116.986,68.007
TCK: R15.1 X1.6 | length 3.2
  Top Layer w0.15: X1.6@23.275,36.775 v4(24.135,36.775)
  MidLayer1 w0.15: v4(24.135,36.775) v4(24.135,36.785)
  Bottom Layer w0.15: v4(24.135,36.785) 25.341,37.991 R15.1@25.341,38.62
TDI: R17.1 X1.10 | length 2.9
  Top Layer w0.15: X1.10@27.275,36.775 v4(28.05,36.775)
  Bottom Layer w0.15: v4(28.05,36.775) 28.125,36.775 28.55,37.2 R17.1@28.55,38.6
TDO: R16.1 X1.8 | length 2.9
  Top Layer w0.15: X1.8@25.275,36.775 v4(26.05,36.775)
  Bottom Layer w0.15: v4(26.05,36.775) 26.125,36.775 26.7,37.35 R16.1@26.7,38.6
TMS: R14.1 X1.4 | length 2.9
  Top Layer w0.15: X1.4@21.275,36.775 v4(22.15,36.775)
  Bottom Layer w0.15: v4(22.15,36.775) 22.15,36.8 22.604,37.254 R14.1@22.604,38.633